# KiCad board multistepper.kicad_pcb (continued)
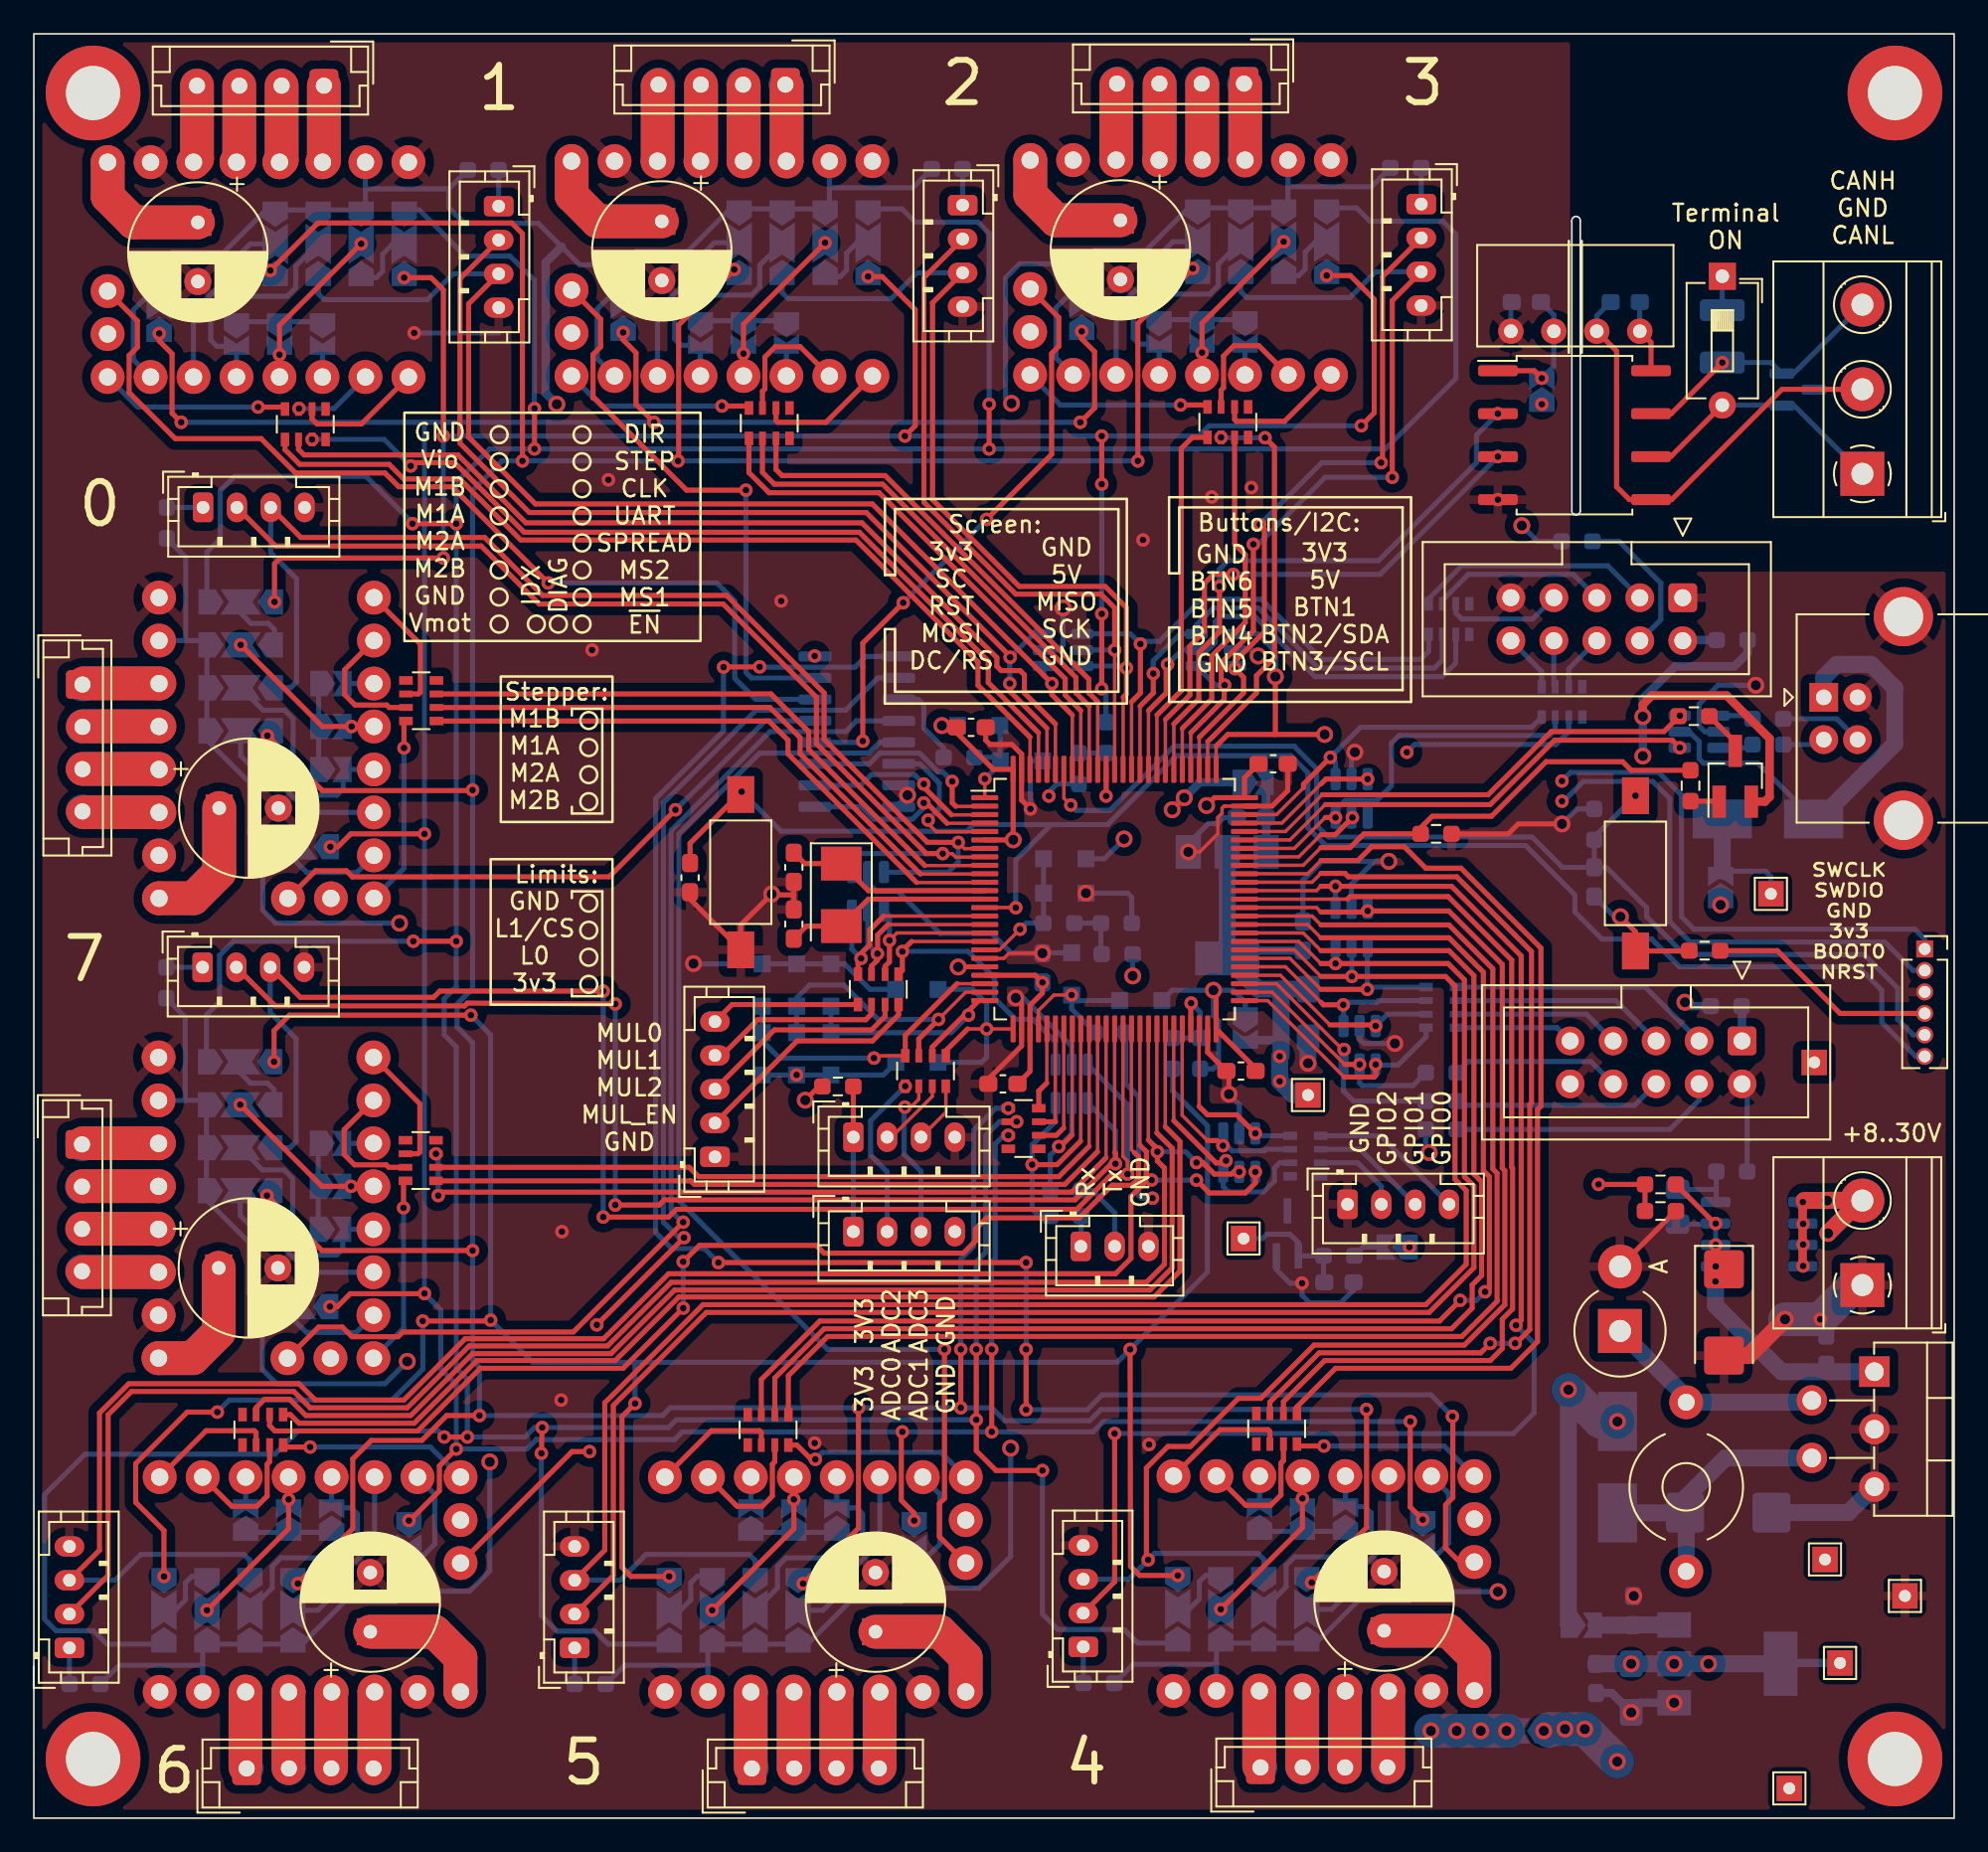
[diagram p0: board, top side]
## Text on the board (continued)
F.Silkscreen: SWCLK / SWDIO / GND / 3v3 / BOOT0 / NRST | GND / Vio / M1B / M1A / M2A / M2B / GND / Vmot | M1B / M1A / M2A / M2B | GND / L1/CS / L0 / 3v3 | Stepper: | Limits: | MUL0 / MUL1 / MUL2 / MUL_EN / GND | DIR / STEP / CLK / UART / SPREAD / MS2 / MS1 / ~{EN} | 3v3 / SC / RST / MOSI / DC/RS | Screen: | GND / 5V / MISO / SCK / GND | GND / BTN6 / BTN5 / BTN4 / GND | Buttons/I2C: | 3V3 / 5V / BTN1 / BTN2/SDA / BTN3/SCL | Terminal / ON | CANH / GND / CANL | +8..30V | IDX / DIAG | 3V3 / ADC2 / ADC3 / GND | 3V3 / ADC0 / ADC1 / GND | Rx / Tx / GND | GND / GPIO2 / GPIO1 / GPIO0 | 7 | 0 | 6 | 1 | 5 | 2 | 4 | 3
